# Altium PCB NC1-1A-BASIS.PcbDoc (part 2 of 2)
Units mm, origin at the board's own origin, x right, y up, seen from the top; angles counter-clockwise.
Board outline 78 x 78 mm, 4 copper layers (Top Layer, Mid 1 (GND), Mid 2 (PWR), Bottom Layer), stack 1.586 mm thick; 252 components, 133 nets, 704 pads, 209 vias.
Unrouted connection lines stored in the file: 194.
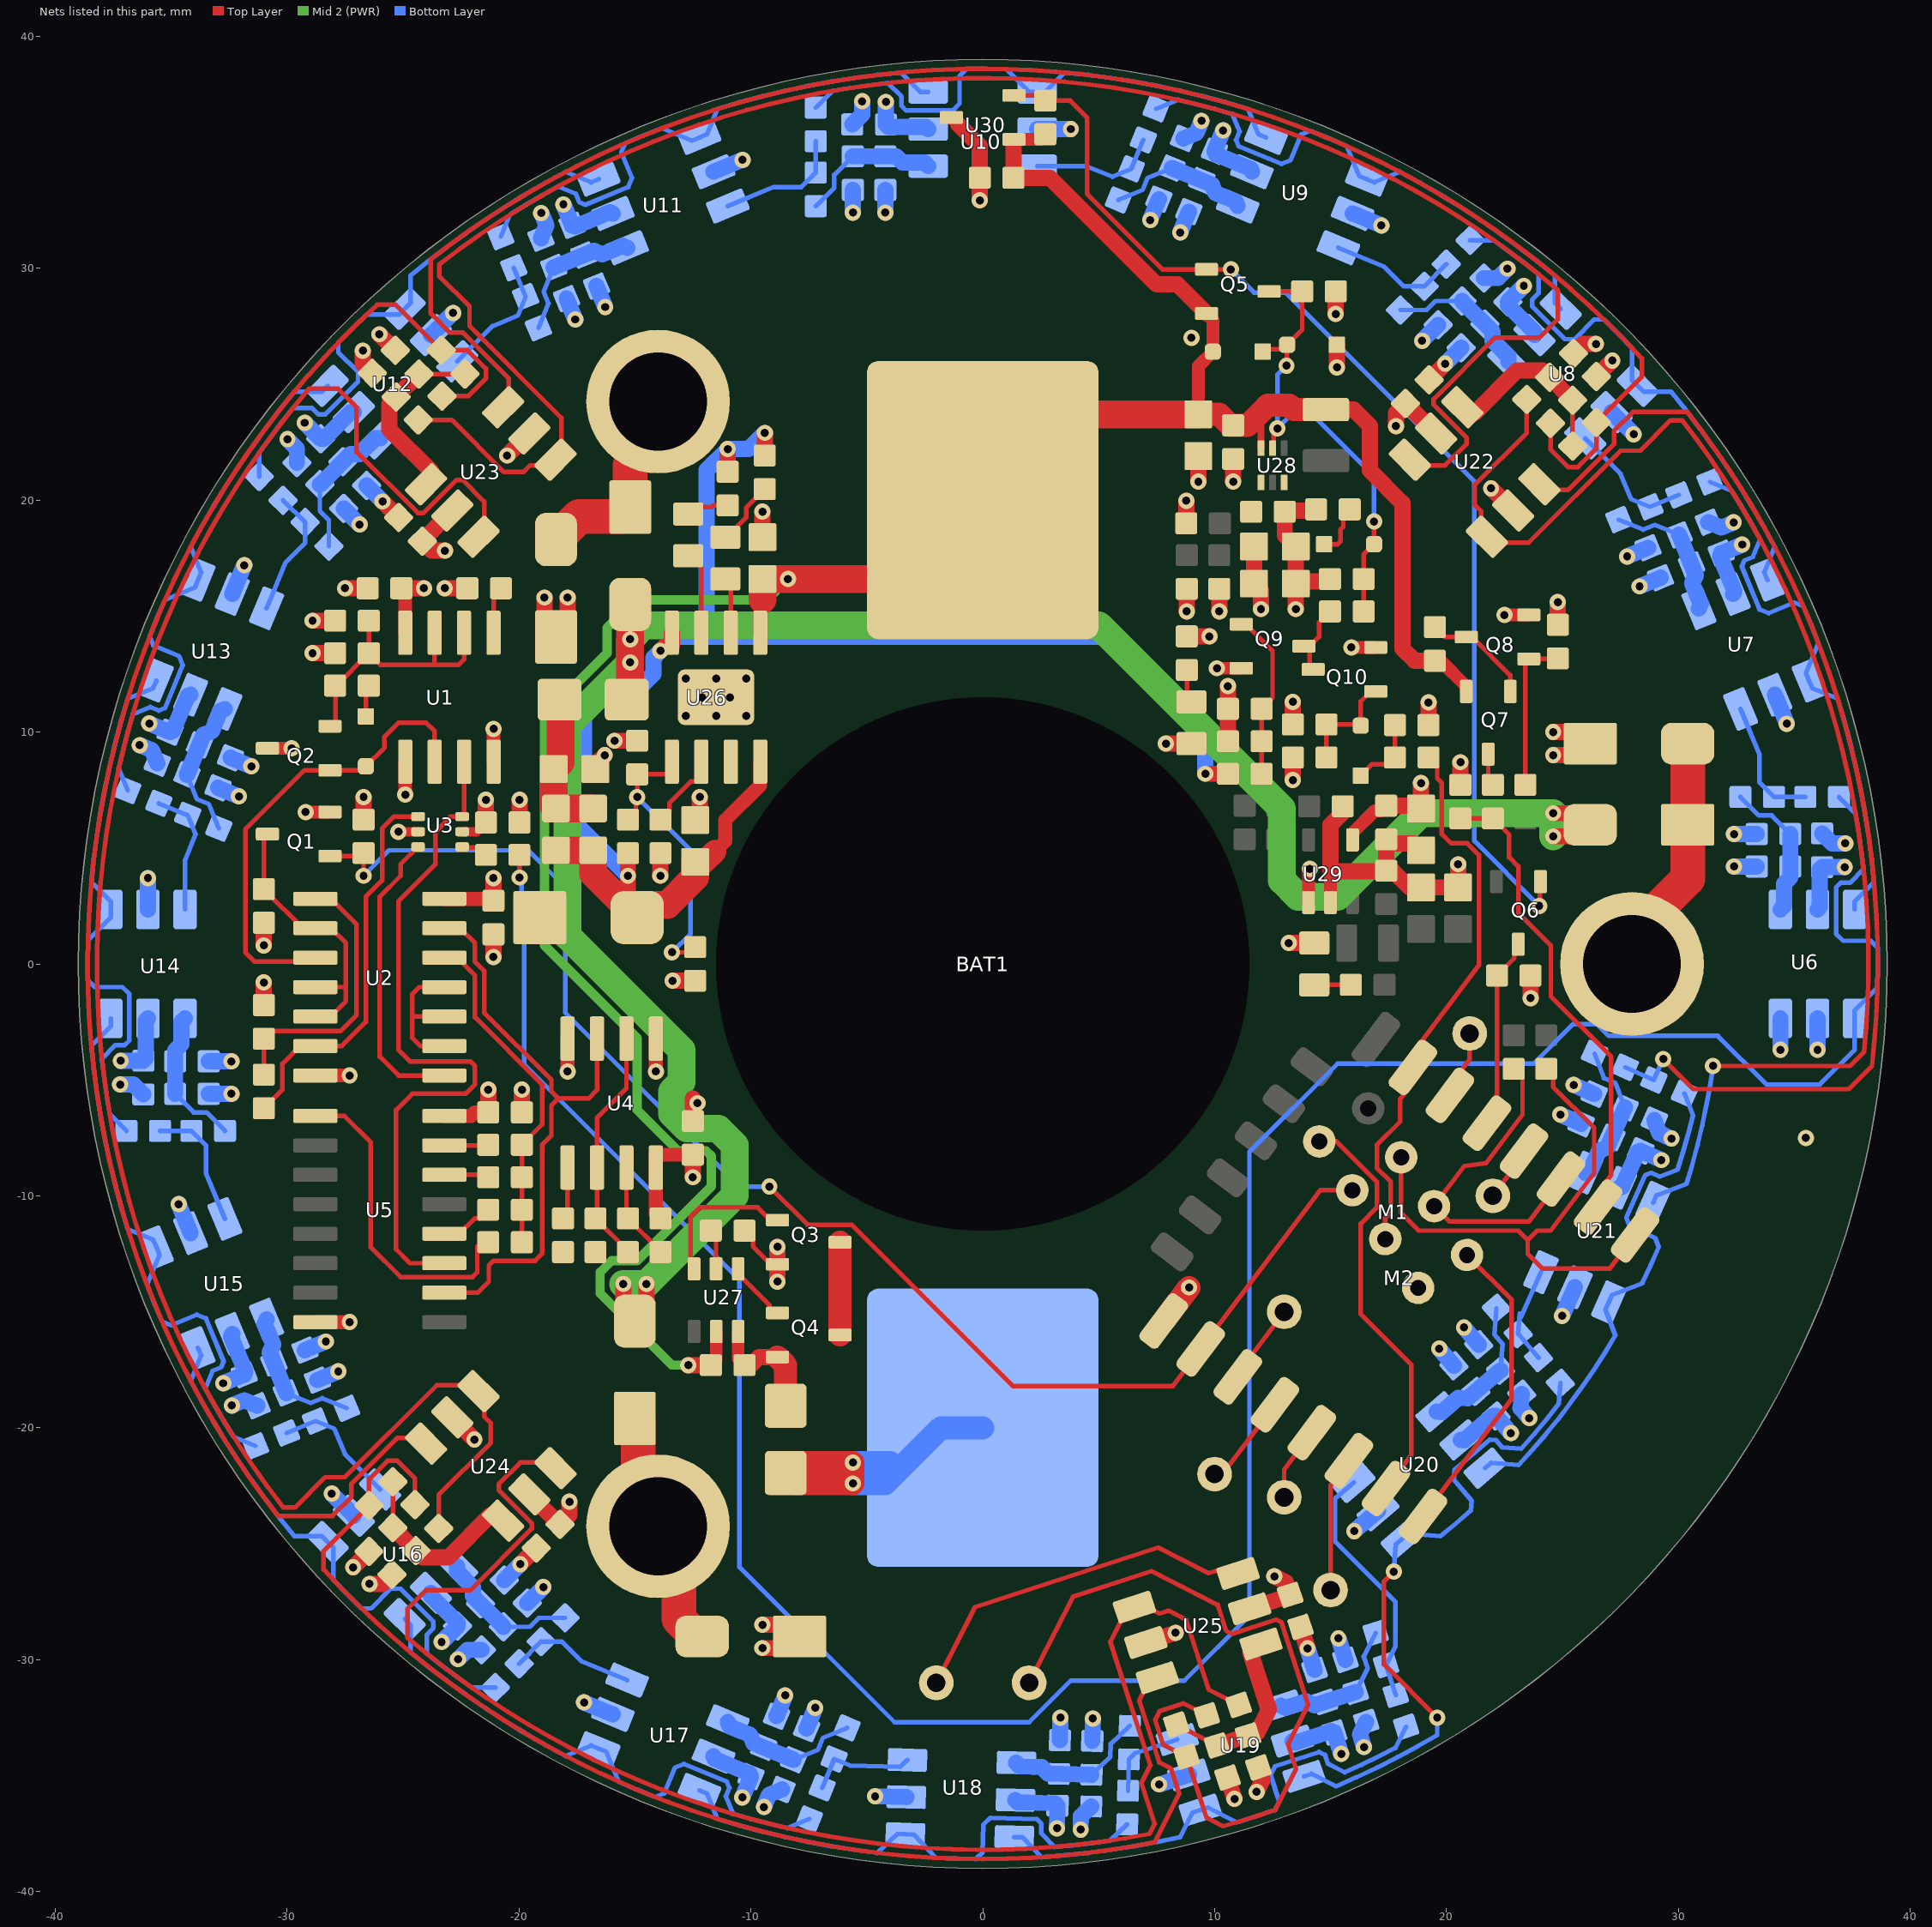
[diagram p4: the nets of this part, all layers, seen from the top]

## Via types
v1: diameter 0.7, hole 0.35, Top Layer to Bottom Layer, tented both sides, 201 vias
v2: diameter 0.7, hole 0.35, Top Layer to Bottom Layer, 8 vias

## Nets (pads, with @x,y where several pads share a name; then routed paths per layer and width w, separated by ;. In a path a pad name is that pad's centre, name@x,y a point inside that pad or via, vN(x,y) a via of type N, cw(c..) or ccw(c..) an arc to the next point about the centre after c; other vN are vias at no path point) (continued)
+5V2: C1.1 C4.1 C5.1 C9.1 C10.1 C11.1 C13.1 C15.1 C17.1 C19.1 C21.1 C23.1 C25.1 C27.1 C29.1 C31.1 C33.1 C35.1 C37.1 C39.1 C41.1 C43.1 C45.1 C47.1 C49.1 C55.1 C59.2 C60.1 C61.1 C62.1 C63.2 C67.2 R3.1 R4.1 R8.1 R15.1 R18.1 R21.1 R24.1 R27.1 R30.1 R33.1 R36.1 R39.1 R42.1 R45.1 R48.1 R51.1 R54.1 R57.1 R60.1 R63.1 R66.1 R69.1 R72.1 R84.1 R89.2 R91.1 U1.4 U1.8 U2.14 U3.5 U4.4 U4.8 U5.16 U6.2 U7.2 U8.2 U9.2 U10.2 U11.2 U12.2 U13.2 U14.2 U15.2 U16.2 U17.2 U18.2 U19.2 U20.2 U21.2 U22.2 U23.2 U24.2 U25.2 U28.6 U29.1@14.05,2.65 U29.4 | length 115.5
  Top Layer w0.4: U3.5@-22.45,5.7 -21.825,5.7 C5.1@-21.425,6.1
  Top Layer w0.55: U29.1@14.05,2.65 14.05,4.05 v1(14.1,4.1) ; U29.4@15.95,5.35 15.95,5.65 16.9,6.6 17.175,6.6 C63.2@17.4,6.825
  Top Layer w0.6: C1.1@-25.075,16.2 -24.905,16.03 U1.8@-24.905,14.28 ; U5.16@-23.22,-6.555 -22.055,-6.555 -21.9,-6.4 C10.1@-21.325,-6.4 ; U2.14@-23.22,2.81 -23.215,2.805 -21.18,2.805 C4.1@-21.1,2.725 ; U1.4@-21.095,8.72 v1(-21.095,10.14) ; v1(-17.905,-4.64) U4.4@-17.905,-3.22 ; R8.1@-13.9,-10.975 -14.095,-10.78 U4.8@-14.095,-8.78 -14.095,-8.225 C9.1@-12.5,-8.225
  Top Layer w0.7: v1(-31,0.8) R3.1@-31,1.775 ; v1(-28.9,14.8) R4.1@-27.925,14.8 ; v1(-27.153,-26.022) R69.1@-26.463,-25.332 ; v1(-26.022,27.153) R66.1@-25.332,26.463 ; C1.1@-25.075,16.2 v1(-24.1,16.2) ; C45.1@-24.165,18.226 -23.759,17.819 v1(-23.193,17.819) ; C45.1@-24.165,18.261 U23.2@-22.875,19.552 ; C5.1@-21.425,6.1 v1(-21.425,7.075) ; C10.1@-21.325,-6.4 v1(-21.325,-5.425) ; C4.1@-21.1,2.725 v1(-21.1,3.7) ; U24.2@-19.552,-22.875 C47.1@-18.261,-24.165 ; C47.1@-18.226,-24.165 -17.819,-23.759 v1(-17.819,-23.193) ; v1(-12.5,-9.2) C9.1@-12.5,-8.225 ; R91.1@8.8,14.125 v1(9.775,14.125) ; v1(8.8,15.2) R84.1@8.8,16.175 ; v1(10.2,15.2) C55.1@10.2,16.175 ; R72.1@10.557,-35.08 v1(10.858,-36.007) ; U25.2@11.505,-27.806 C49.1@13.241,-27.242 ; v1(12.576,-26.406) 13.08,-26.663 C49.1@13.257,-27.21 ; v1(13.5,15.3) C60.1@13.5,16.4 ; R89.2@14.375,19.6 14.325,19.55 13.075,19.55 C59.2@13.025,19.5 13.025,18.475 C61.1@13.5,18 C60.1@13.5,16.4 ; C67.2@14.975,16.6 14.875,16.5 13.6,16.5 C60.1@13.5,16.4 ; C63.2@17.4,6.825 18.775,6.825 C62.1@18.9,6.7 v1(18.9,7.8) ; v1(17.819,23.193) 17.819,23.759 C43.1@18.226,24.165 ; C43.1@18.261,24.165 U22.2@19.552,22.875 ; R63.1@26.463,25.332 v1(27.153,26.022)
  Bottom Layer w0.7: v1(-37.175,-4.175) C27.1@-36.2,-4.175 -36.1,-4.075 -36.1,-2.45 U14.2@-36,-2.35 ; v1(-35.943,10.369) C25.1@-35.042,9.996 -34.911,10.05 -34.29,11.551 U13.2@-34.159,11.605 ; R39.1@-33.375,-5.6 v1(-32.4,-5.6) ; R36.1@-32.978,7.598 v1(-32.077,7.225) ; v1(-32.748,-18.083) C29.1@-31.847,-17.71 -31.793,-17.58 -32.414,-16.078 U15.2@-32.36,-15.948 ; v1(-29.239,23.335) C23.1@-28.549,22.645 -28.408,22.645 -27.259,23.794 U12.2@-27.118,23.794 ; R42.1@-28.691,-17.946 v1(-27.791,-17.573) ; R33.1@-27.559,19.64 v1(-26.87,18.95) ; U16.2@-23.794,-27.118 -23.794,-27.259 -22.645,-28.408 C31.1@-22.645,-28.549 v1(-23.335,-29.239) ; R45.1@-19.64,-27.56 v1(-18.95,-26.87) ; v1(-18.083,32.748) C21.1@-17.71,31.847 -17.58,31.793 -16.078,32.414 U11.2@-15.948,32.36 ; R30.1@-17.946,28.691 v1(-17.573,27.791) ; U17.2@-11.605,-34.159 -11.551,-34.29 -10.05,-34.911 C33.1@-9.996,-35.042 v1(-10.369,-35.943) ; R48.1@-7.598,-32.978 v1(-7.225,-32.077) ; v1(-5.6,32.4) R27.1@-5.6,33.375 ; v1(-4.175,37.175) C19.1@-4.175,36.2 -4.075,36.1 -2.45,36.1 U10.2@-2.35,36 ; U18.2@1.407,-36.049 1.504,-36.152 3.129,-36.194 C35.1@3.226,-36.297 v1(3.2,-37.272) ; R51.1@4.724,-33.51 v1(4.75,-32.535) ; v1(7.225,32.077) R24.1@7.598,32.978 ; v1(10.369,35.943) C17.1@9.996,35.042 10.05,34.911 11.551,34.29 U9.2@11.605,34.159 ; U19.2@13.36,-33.512 13.486,-33.576 15.031,-33.074 C37.1@15.157,-33.138 v1(15.458,-34.065) ; v1(15.338,-29.084) R54.1@15.639,-30.011 ; v1(18.95,26.87) R21.1@19.64,27.56 ; U20.2@20.621,-20.526 20.762,-20.537 21.998,-19.481 C39.1@22.139,-19.492 v1(22.772,-20.234) ; v1(20.754,-15.677) R57.1@21.387,-16.419 ; v1(23.335,29.239) C15.1@22.645,28.549 22.645,28.408 23.794,27.259 U8.2@23.794,27.118 ; v1(25.482,-5.215) R60.1@26.373,-5.612 ; U21.2@27.449,-9.649 27.581,-9.598 28.242,-8.113 C41.1@28.374,-8.063 v1(29.264,-8.459) ; v1(27.791,17.573) R18.1@28.691,17.946 ; U7.2@32.36,15.948 32.414,16.078 31.793,17.58 C13.1@31.847,17.71 v1(32.748,18.083) ; v1(32.4,5.6) R15.1@33.375,5.6 ; U6.2@36,2.35 36.1,2.45 36.1,4.075 C11.1@36.2,4.175 v1(37.175,4.175)
+5V_CHG: C53.1 D5.1 R75.2 R76.2 R77.1 R78.1 R79.1 R98.1 U26.4 U26.8 | length 72.2
  Top Layer w0.6: -11.55,4.85 -11.1,5.3 -11.1,6.2 -9.595,7.705 U26.4@-9.595,8.72
  Top Layer w0.7: R79.1@-15.3,4.775 v1(-15.3,3.8) -15.3,2.4 D5.1@-14.9,2 ; v1(-13.9,13.5) -13.725,13.675 -13.45,13.675 -13.405,13.72 U26.8@-13.405,14.28 ; R78.1@-11,21.225 v1(-11,22.2) ; R77.1@-9.4,21.925 v1(-9.4,22.9) ; v1(9.6,8.2) R98.1@10.575,8.2
  Top Layer w1: C53.1@-12.4,4.4 -12,4.4 -11.55,4.85
  Top Layer w1.2: R75.2@-18.4,4.9 R76.2@-16.8,4.9 -16.8,3.9 D5.1@-15.3,2.4 ; D5.1@-14.9,2 -14.35,2.55 -13.594,2.55 -12.4,3.744 C53.1@-12.4,4.4
  Bottom Layer w0.7: v1(-15.3,3.8) -17.8,6.3 -17.8,8.2 -17.201,8.799 -17.201,11.001 -16.402,11.8 -14.902,11.8 -14.2,12.502 -14.2,13.2 v1(-13.9,13.5) -13.3,14.1 -11.9,14.1 ; v1(-9.4,22.9) -10.1,22.2 v1(-11,22.2) -11.9,21.3 -11.9,14.1 ; v1(9.6,8.2) 9.6,10 5.5,14.1 -11.9,14.1
+VBAT: BAT1.1 C52.1 C54.1 C56.1 C57.2 C68.1 D11.1 L1.1 Q5.2 Q7.2 R86.1 R95.1 U26.5 U27.5 U28.3 U30.1@1.35,35.55 | length 119.3
  Top Layer w0.3: U28.3@12,22.24 12,23.8
  Top Layer w0.55: C54.1@-11.725,-17.3 -11.49,-17.065 U27.5@-11.49,-15.85 ; U30.1@1.325,35.475 U30.1@1.325,35.525 ; U30.1@1.35,35.55 2.475,35.55 R86.1@2.7,35.775 ; C56.1@9.3,23.7 9.3,25.775 D11.1@9.925,26.4 9.925,27.775 Q5.2@9.65,28.05 ; R95.1@19.5,13.075 19.75,13.075 20.85,11.975 Q7.2@20.85,11.75
  Top Layer w0.6: U26.5@-9.595,14.28 -9.595,15.298 -9.595,15.605 -9.5,15.7
  Top Layer w0.7: v1(-12.7,-17.3) C54.1@-11.725,-17.3 ; U30.1@1.325,35.475 C68.1@1.325,33.9 2.9,33.9 7.5,29.3 8.4,29.3 Q5.2@9.65,28.05 ; L1.1@14.8,23.9 16,23.9 16.7,23.2 16.7,21.275 18.1,19.875 18.1,13.6 18.625,13.075 R95.1@19.5,13.075
  Top Layer w1: C56.1@9.3,23.7 10.2,23.7 10.675,23.225 C57.2@10.8,23.225 11.425,23.225 12,23.8 12.3,24.1 13.214,24.1 13.414,23.9 L1.1@14.8,23.9
  Top Layer w1.2: -9.5,15.7 -9.5,16 C52.1@-9.5,16.6 v1(-8.4,16.6) -3.4,16.6 BAT1.1@0,20 ; BAT1.1@-0.4,19.6 3.7,23.7 C56.1@9.3,23.7
  Mid 2 (PWR) w0.4: v1(-12.7,-17.3) -13.4,-17.3 -16.5,-14.2 -16.5,-13.3 -16,-12.8 -14.9,-12.8 -11.7,-9.6 -11.7,-8.284 -11.934,-8.05 -13.149,-8.05 -14.9,-6.299 -14.9,-3.2 -18.9,0.8 -18.9,10.7 -16.2,13.4 -16.2,14.5 -15,15.7 -9.3,15.7 v1(-8.4,16.6)
-VBAT: BAT1.2 F2.1 | length 16.2
  Top Layer w1: F2.1@-8.5,-21.95 -8.05,-22.4 -7.1,-22.4 v1(-5.6,-22.4) v1(-5.6,-21.5) -7.1,-21.5 -8.05,-21.5 F2.1@-8.5,-21.95
  Bottom Layer w1: BAT1.2@-4,-21.5 v1(-5.6,-21.5) v1(-5.6,-22.4) -4.2,-22.4 -3.65,-21.85 -1.8,-20 BAT1.2@0,-20
-VBAT_PROT: C54.2 F2.2 Q4.2 U27.6 | length 5.4
  Top Layer w0.55: U27.6@-10.55,-15.85 -10.55,-17.025 C54.2@-10.275,-17.3
  Top Layer w0.7: C54.2@-10.275,-17.3 -10,-17.3 -9.65,-16.95 Q4.2@-8.85,-16.95
  Top Layer w1: Q4.2@-8.85,-16.95 -8.5,-17.3 F2.2@-8.5,-19.05
B1: R16.2 R17.2 U7.6 | length 5.6
  Bottom Layer w0.2: U7.6@32.681,10.993 33.5,9.015 33.5,7.825 R16.2@34.125,7.2 R17.2@35.475,7.2
B2: R19.2 R20.2 U8.6 | length 5.6
  Bottom Layer w0.2: U8.6@25.986,22.663 27.5,21.149 27.955,20.049 R19.2@28.772,19.711 R20.2@30.019,20.228
B3: R22.2 R23.2 U9.6 | length 5.6
  Bottom Layer w0.2: U9.6@15.335,30.882 17.313,30.063 18.155,29.221 R22.2@19.039,29.221 R23.2@19.993,30.176
B4: R25.2 R26.2 U10.6 | length 5.6
  Bottom Layer w0.2: U10.6@2.35,34.4 4.491,34.4 5.591,33.944 R25.2@6.407,34.283 R26.2@6.924,35.53
B5: R28.2 R29.2 U11.6 | length 5.6
  Bottom Layer w0.2: U11.6@-10.993,32.681 -9.015,33.5 -7.825,33.5 R28.2@-7.2,34.125 R29.2@-7.2,35.475
B6: R31.2 R32.2 U12.6 | length 5.6
  Bottom Layer w0.2: U12.6@-22.663,25.986 -21.149,27.5 -20.049,27.955 R31.2@-19.711,28.772 R32.2@-20.228,30.019
B7: R34.2 R35.2 U13.6 | length 5.6
  Bottom Layer w0.2: U13.6@-30.882,15.335 -30.063,17.313 -29.221,18.155 R34.2@-29.221,19.039 R35.2@-30.176,19.993
B8: R37.2 R38.2 U14.6 | length 5.6
  Bottom Layer w0.2: R38.2@-35.53,6.924 R37.2@-34.283,6.407 -33.944,5.591 -34.4,4.491 U14.6@-34.4,2.35
B9: R40.2 R41.2 U15.6 | length 5.6
  Bottom Layer w0.2: R41.2@-35.475,-7.2 R40.2@-34.125,-7.2 -33.5,-7.825 -33.5,-9.015 U15.6@-32.681,-10.993
B10: R43.2 R44.2 U16.6 | length 5.6
  Bottom Layer w0.2: R44.2@-30.019,-20.228 R43.2@-28.772,-19.711 -27.955,-20.049 -27.5,-21.149 U16.6@-25.986,-22.663
B11: R46.2 R47.2 U17.6 | length 5.6
  Bottom Layer w0.2: R47.2@-19.993,-30.176 R46.2@-19.039,-29.221 -18.155,-29.221 -17.313,-30.063 U17.6@-15.335,-30.882
B12: R49.2 R50.2 U18.6 | length 4.7
  Bottom Layer w0.2: R50.2@-6.924,-35.53 R49.2@-6.407,-34.283 -5.732,-34.562 -3.558,-34.619 U18.6@-3.25,-34.327
B13: R52.2 R53.2 U19.6 | length 3.6
  Bottom Layer w0.2: R53.2@6.269,-35.651 R52.2@6.304,-34.302 6.571,-34.035 U19.6@8.395,-33.443
B14: R55.2 R56.2 U20.6 | length 10.8
  Bottom Layer w0.2: U20.6@16.008,-22.361 15.2,-23.051 15.2,-24.9 17.794,-27.494 17.794,-29.442 R55.2@17.393,-30.23 R56.2@17.81,-31.514
B15: R58.2 R59.2 U21.6 | length 4.4
  Bottom Layer w0.2: 23.161,-15.069 R58.2@23.091,-15.95 R59.2@23.968,-16.977 ; 23.205,-15.247 U21.6@24.075,-13.291
B16: R61.2 R62.2 U22.6 | length 50.6
  Top Layer w0.2: U22.6@24.006,20.683 24.254,20.435 25.244,20.435 27.224,22.415 27.224,22.981 28.043,23.8 30.389,23.8 cw(c0,0) 38.349,-4.394 37.343,-5.4 30.644,-5.4 v1(29.344,-4.1)
  Bottom Layer w0.2: R61.2@27.708,-4.455 R62.2@28.942,-5.004 v1(29.344,-4.1)
B17: R64.2 R65.2 U23.6 | length 74.3
  Top Layer w0.2: U23.6@-20.683,24.006 -20.435,24.254 -20.435,25.244 -22.415,27.224 -22.981,27.224 -23.8,28.043 -23.8,30.389 cw(c0,0) 28.426,26.114 28.426,25.314 R64.2@26.463,23.352 26.463,22.221 25.668,21.425 25.244,21.425 24.484,22.185 R65.2@24.484,23.317
B18: R67.2 R68.2 U24.6 | length 74.3
  Top Layer w0.2: U24.6@-24.006,-20.683 -24.254,-20.435 -25.244,-20.435 -27.224,-22.415 -27.224,-22.981 -28.043,-23.8 -30.389,-23.8 cw(c0,0) -26.114,28.426 -25.314,28.426 R67.2@-23.352,26.463 -22.221,26.463 -21.425,25.668 -21.425,25.244 -22.185,24.484 R68.2@-23.317,24.484
B19: R70.2 R71.2 U25.6 | length 56.1
  Top Layer w0.2: R71.2@-24.484,-23.317 -24.484,-22.185 -25.244,-21.425 -25.668,-21.425 -26.463,-22.221 R70.2@-26.463,-23.352 -28.426,-25.314 -28.426,-26.114 ccw(c0,0) 7.409,-37.882 8.475,-35.791 8.117,-34.69 7.613,-34.433 6.748,-31.77 7.197,-30.888 U25.6@7.53,-30.78
B20: R73.2 R74.2 TP2.1 | length 34.2
  Top Layer w0.2: TP2.1@2,-31 3.895,-27.282 7.279,-26.182 10.137,-27.638 10.502,-28.762 10.754,-28.891 12.656,-28.273 12.877,-28.385 14.036,-31.952 13.166,-33.657 13.511,-34.718 12.613,-36.481 cw(c0,0) 10.363,-37.183 9.65,-36.82 R73.2@8.793,-34.181 7.785,-33.667 7.437,-32.597 7.63,-32.219 8.652,-31.887 R74.2@9.66,-32.401
BMS_CS: R83.1 U27.2 | length 1.7
  Top Layer w0.2: R83.1@-11.725,-11.5 -11.5,-11.725 U27.2@-11.5,-13.15
BMS_OC: Q3.1@-8.85,-11.05 U27.3 | length 6.5
  Top Layer w0.2: U27.3@-12.45,-13.15 -12.6,-13 -12.6,-10.9 -12.2,-10.5 -9.7,-10.5 -9.15,-11.05 Q3.1@-8.85,-11.05
BMS_OD: Q4.1@-8.85,-15.05 U27.1@-10.55,-13.15 | length 2.7
  Top Layer w0.2: U27.1@-10.55,-13.15 -10.55,-13.35 -9.2,-14.7 -9.2,-14.9 -9.05,-15.05 Q4.1@-8.85,-15.05
CHG_A: D2.2 D8.1 J1.1 | length 10.5
  Top Layer w1.5: J1.1@28,0 28,1.272 30.4,3.672 D8.1@30.4,9.5
CHG_B: D3.2 D9.1 J2.1 | length 8.6
  Top Layer w1.5: D9.1@-18.4,18.3 -17.4,19.3 -15.6,19.3 D3.2@-15.2,19.7 ; D3.2@-15.2,19.9 -15.2,21.5 -14,22.7 J2.1@-14,24.249
CHG_C: D4.2 D10.1 J3.1 | length 10.7
  Top Layer w1.5: D4.2@-15,-19.6 -14.85,-19.75 -14.85,-23.399 -13.101,-25.148 -13.101,-28.249 -12.35,-29 D10.1@-12.1,-29
CHG_CHRG: D7.1 U26.7 | length 3.6
  Top Layer w0.2: D7.1@-12.7,17.6 -12.6,17.6 -12.135,17.135 U26.7@-12.135,14.28
CHG_PROG: R82.1 U26.2 | length 3.4
  Top Layer w0.2: R82.1@-13.9,6.225 -13.5,6.625 -13.5,6.949 -12.584,7.865 -12.34,7.865 -12.135,8.07 U26.2@-12.135,8.72
CHG_STDBY: D6.1 U26.6 | length 2.4
  Top Layer w0.2: D6.1@-11.1,16.6 -10.865,16.365 U26.6@-10.865,14.28
CHG_TEMP: R79.2 R80.1 R81.1 U26.1@-13.405,8.72 | length 13.1
  Top Layer w0.2: R79.2@-15.3,6.225 -14.96,6.565 -14.96,7.14 v1(-14.9,7.2) R81.1@-14.9,8.175 -13.61,8.175 -13.405,8.38 U26.1@-13.405,8.72 ; v1(-13.4,0.5) -12.625,0.5 R80.1@-12.4,0.725
  Bottom Layer w0.2: v1(-14.9,7.2) -12.6,4.9 -12.6,1.3 v1(-13.4,0.5)
D1: R20.1 U6.3 U7.4 | length 23.6
  Bottom Layer w0.2: R20.1@31.359,20.783 32.302,20.392 cw(c0,0) 33.528,18.306 33.214,17.546 32.844,17.393 32.736,17.132 33.501,15.284 33.893,15.121 35.002,15.581 35.385,15.422 cw(c0,0) 36.037,13.83 35.503,12.541 U7.4@35.637,12.218 35.771,11.894 36.865,11.441 cw(c0,0) 38.438,3.538 37.6,2.7 U6.3@37.6,2.35
D2: R23.1 U7.3 U8.4 | length 23.6
  Bottom Layer w0.2: R23.1@21.019,31.201 22.039,31.201 cw(c0,0) 23.971,29.743 23.971,28.921 23.688,28.638 23.688,28.355 25.102,26.941 25.527,26.941 26.375,27.789 26.79,27.789 cw(c0,0) 28.001,26.568 28.001,25.173 U8.4@28.249,24.926 28.496,24.678 29.681,24.678 cw(c0,0) 34.158,17.978 33.705,16.883 U7.3@33.839,16.56
D3: R26.1 U8.3 U9.4 | length 23.6
  Bottom Layer w0.2: R26.1@7.479,36.87 8.422,37.26 cw(c0,0) 10.764,36.652 11.079,35.892 10.926,35.523 11.034,35.262 12.882,34.496 13.274,34.659 13.733,35.767 14.116,35.926 cw(c0,0) 15.703,35.262 16.237,33.972 U9.4@16.56,33.839 16.883,33.705 17.978,34.158 cw(c0,0) 24.678,29.681 24.678,28.496 U8.3@24.926,28.249
D4: R29.1 U9.3 U10.4 | length 23.6
  Bottom Layer w0.2: R29.1@-7.2,36.925 -6.478,37.647 cw(c0,0) -4.081,37.981 -3.5,37.4 -3.5,37 -3.3,36.8 -1.3,36.8 -1,37.1 -1,38.3 -0.706,38.594 cw(c0,0) 1.013,38.587 2,37.6 U10.4@2.35,37.6 2.7,37.6 3.538,38.438 cw(c0,0) 11.441,36.865 11.894,35.771 U9.3@12.218,35.637
D5: R32.1 U10.3 U11.4 | length 23.6
  Bottom Layer w0.2: R32.1@-20.783,31.359 -20.392,32.302 cw(c0,0) -18.306,33.528 -17.546,33.214 -17.393,32.844 -17.132,32.736 -15.284,33.501 -15.121,33.893 -15.581,35.002 -15.422,35.385 cw(c0,0) -13.83,36.037 -12.541,35.503 U11.4@-12.218,35.637 -11.894,35.771 -11.441,36.865 cw(c0,0) -3.538,38.438 -2.7,37.6 U10.3@-2.35,37.6
D6: R35.1 U11.3 U12.4 | length 23.6
  Bottom Layer w0.2: R35.1@-31.201,21.019 -31.201,22.039 cw(c0,0) -29.743,23.971 -28.921,23.971 -28.638,23.688 -28.355,23.688 -26.941,25.102 -26.941,25.527 -27.789,26.375 -27.789,26.79 cw(c0,0) -26.568,28.001 -25.173,28.001 U12.4@-24.926,28.249 -24.678,28.496 -24.678,29.681 cw(c0,0) -17.978,34.158 -16.883,33.705 U11.3@-16.56,33.839
D7: R38.1 U12.3 U13.4 | length 23.6
  Bottom Layer w0.2: R38.1@-36.87,7.479 -37.26,8.422 cw(c0,0) -36.652,10.764 -35.892,11.079 -35.523,10.926 -35.262,11.034 -34.496,12.882 -34.659,13.274 -35.767,13.733 -35.926,14.116 cw(c0,0) -35.262,15.703 -33.972,16.237 U13.4@-33.839,16.56 -33.705,16.883 -34.158,17.978 cw(c0,0) -29.681,24.678 -28.496,24.678 U12.3@-28.249,24.926
D8: R41.1 U13.3 U14.4 | length 23.6
  Bottom Layer w0.2: R41.1@-36.925,-7.2 -37.647,-6.478 cw(c0,0) -37.981,-4.081 -37.4,-3.5 -37,-3.5 -36.8,-3.3 -36.8,-1.3 -37.1,-1 -38.3,-1 -38.594,-0.706 cw(c0,0) -38.587,1.013 -37.6,2 U14.4@-37.6,2.35 -37.6,2.7 -38.438,3.538 cw(c0,0) -36.865,11.441 -35.771,11.894 U13.3@-35.637,12.218
D9: R44.1 U14.3 U15.4 | length 23.6
  Bottom Layer w0.2: U14.3@-37.6,-2.35 -37.6,-2.7 -38.438,-3.538 ccw(c0,0) -36.865,-11.441 -35.771,-11.894 U15.4@-35.637,-12.218 -35.503,-12.541 -36.037,-13.83 ccw(c0,0) -35.385,-15.422 -35.002,-15.581 -33.893,-15.121 -33.501,-15.284 -32.736,-17.132 -32.844,-17.393 -33.214,-17.546 -33.528,-18.306 ccw(c0,0) -32.302,-20.392 R44.1@-31.359,-20.783
D10: R47.1 U15.3 U16.4 | length 23.6
  Bottom Layer w0.2: U15.3@-33.839,-16.56 -33.705,-16.883 -34.158,-17.978 ccw(c0,0) -29.681,-24.678 -28.496,-24.678 U16.4@-28.249,-24.926 -28.001,-25.173 -28.001,-26.568 ccw(c0,0) -26.79,-27.789 -26.375,-27.789 -25.527,-26.941 -25.102,-26.941 -23.688,-28.355 -23.688,-28.638 -23.971,-28.921 -23.971,-29.743 ccw(c0,0) -22.039,-31.201 R47.1@-21.019,-31.201
D11: R50.1 U16.3 U17.4 | length 23.6
  Bottom Layer w0.2: U16.3@-24.926,-28.249 -24.678,-28.496 -24.678,-29.681 ccw(c0,0) -17.978,-34.158 -16.883,-33.705 U17.4@-16.56,-33.839 -16.237,-33.972 -15.703,-35.262 ccw(c0,0) -14.116,-35.926 -13.733,-35.767 -13.274,-34.659 -12.882,-34.496 -11.034,-35.262 -10.926,-35.523 -11.079,-35.892 -10.764,-36.652 ccw(c0,0) -8.422,-37.26 R50.1@-7.479,-36.87
D12: R53.1 U17.3 U18.4 | length 22.6
  Bottom Layer w0.2: U17.3@-12.218,-35.637 -11.894,-35.771 -11.441,-36.865 ccw(c0,0) -4.543,-38.332 -3.683,-37.516 U18.4@-3.333,-37.526 -2.984,-37.535 -2.023,-38.547 ccw(c0,0) -0.304,-38.599 -0.003,-38.313 0.028,-37.113 0.336,-36.821 2.336,-36.874 2.53,-37.079 2.52,-37.479 3.086,-38.075 ccw(c0,0) 5.491,-37.803 R53.1@6.231,-37.101
D13: R56.1 U18.3 U19.4 | length 21.6
  Bottom Layer w0.2: U18.3@1.365,-37.649 1.715,-37.658 2.53,-38.517 ccw(c0,0) 8.513,-37.649 9.051,-36.594 U19.4@9.384,-36.486 9.717,-36.378 10.96,-37.011 ccw(c0,0) 12.598,-36.486 12.786,-36.116 12.416,-34.975 12.608,-34.597 14.51,-33.979 14.762,-34.108 14.886,-34.488 15.618,-34.861 ccw(c0,0) 17.795,-33.802 R56.1@18.258,-32.893
D14: R59.1 U19.3 U20.4 | length 28.6
  Top Layer w0.2: v1(17.727,-26.203) 17.3,-26.63 17.3,-30.2 v1(19.6,-32.5)
  Bottom Layer w0.2: U19.3@13.854,-35.034 14.187,-34.925 15.242,-35.463 ccw(c0,0) 19.6,-33.254 v1(19.6,-32.5) ; v1(17.727,-26.203) 17.82,-25.022 U20.4@18.086,-24.795 18.352,-24.567 19.743,-24.677 ccw(c-4.546,5.323) 21.056,-23.565 21.088,-23.151 20.309,-22.239 20.342,-21.816 21.863,-20.517 22.145,-20.539 22.405,-20.843 23.224,-20.908 ccw(c0,0) 24.84,-18.959 R59.1@24.91,-18.079
D15: R62.1 U20.3 U21.4 | length 22.5
  Bottom Layer w0.2: U20.3@21.66,-21.742 21.926,-21.515 23.107,-21.608 ccw(c0,0) 27.281,-16.019 26.856,-14.913 U21.4@26.999,-14.593 27.141,-14.273 28.444,-13.773 ccw(c-6.395,2.847) 29.149,-12.205 29.001,-11.817 27.904,-11.329 27.752,-10.933 28.566,-9.106 28.83,-9.005 29.195,-9.167 29.963,-8.873 ccw(c-6.395,2.847) 30.632,-6.547 R62.1@30.266,-5.594
D16: R65.1 U21.3 U22.4 | length 60.5
  Top Layer w0.2: R65.1@23.458,24.342 23.458,22.893 21.213,20.648 21.213,19.799 21.496,19.516 21.496,18.668 U22.4@21.744,18.42 22.309,18.42 22.557,18.173 23.547,18.173 27.506,22.132 28.355,22.132 29.664,23.441 30.162,23.441 cw(c0,0) 38.011,-3.791 37.403,-4.399 v1(31.494,-4.399)
  Bottom Layer w0.2: U21.3@28.91,-10.299 29.053,-9.98 30.354,-9.48 ccw(c0,0) v1(31.494,-4.399)
D17: R68.1 U22.3 U23.4 | length 83.5
  Top Layer w0.2: R68.1@-24.342,23.458 -22.893,23.458 -20.648,21.213 -19.799,21.213 -19.516,21.496 -18.668,21.496 U23.4@-18.42,21.744 -18.42,22.309 -18.173,22.557 -18.173,23.547 -22.132,27.506 -22.132,28.355 -23.441,29.664 -23.441,30.162 cw(c0,0) 24.8,29.055 24.8,27.8 24.011,27.011 22.097,27.011 19.445,24.36 19.445,24.112 20.86,22.698 20.86,22.415 19.94,21.496 19.233,21.496 18.986,21.744 U22.3@18.42,21.744
D18: R71.1 U23.3 U24.4 | length 83.5
  Top Layer w0.2: R71.1@-23.458,-24.342 -23.458,-22.893 -21.213,-20.648 -21.213,-19.799 -21.496,-19.516 -21.496,-18.668 U24.4@-21.744,-18.42 -22.309,-18.42 -22.557,-18.173 -23.547,-18.173 -27.506,-22.132 -28.355,-22.132 -29.664,-23.441 -30.162,-23.441 cw(c0,0) -29.055,24.8 -27.8,24.8 -27.011,24.011 -27.011,22.097 -24.36,19.445 -24.112,19.445 -22.698,20.86 -22.415,20.86 -21.496,19.94 -21.496,19.233 -21.744,18.986 U23.3@-21.744,18.42
D19: R74.1 U24.3 U25.4 | length 65.5
  Top Layer w0.2: U24.3@-18.42,-21.744 -18.986,-21.744 -19.233,-21.496 -19.94,-21.496 -20.86,-22.415 -20.86,-22.698 -19.445,-24.112 -19.445,-24.36 -22.097,-27.011 -24.011,-27.011 -24.8,-27.8 -24.8,-29.055 ccw(c0,0) 7.193,-37.517 7.419,-37.072 6.847,-35.312 7.232,-34.556 5.502,-29.23 5.951,-28.348 6.284,-28.24 U25.4@6.541,-27.736 6.874,-27.628 7.63,-28.013 8.01,-27.89 8.766,-28.275 9.748,-31.294 R74.1@11.039,-31.953